# KiCad board pedalboard-hw.kicad_pcb (continued)
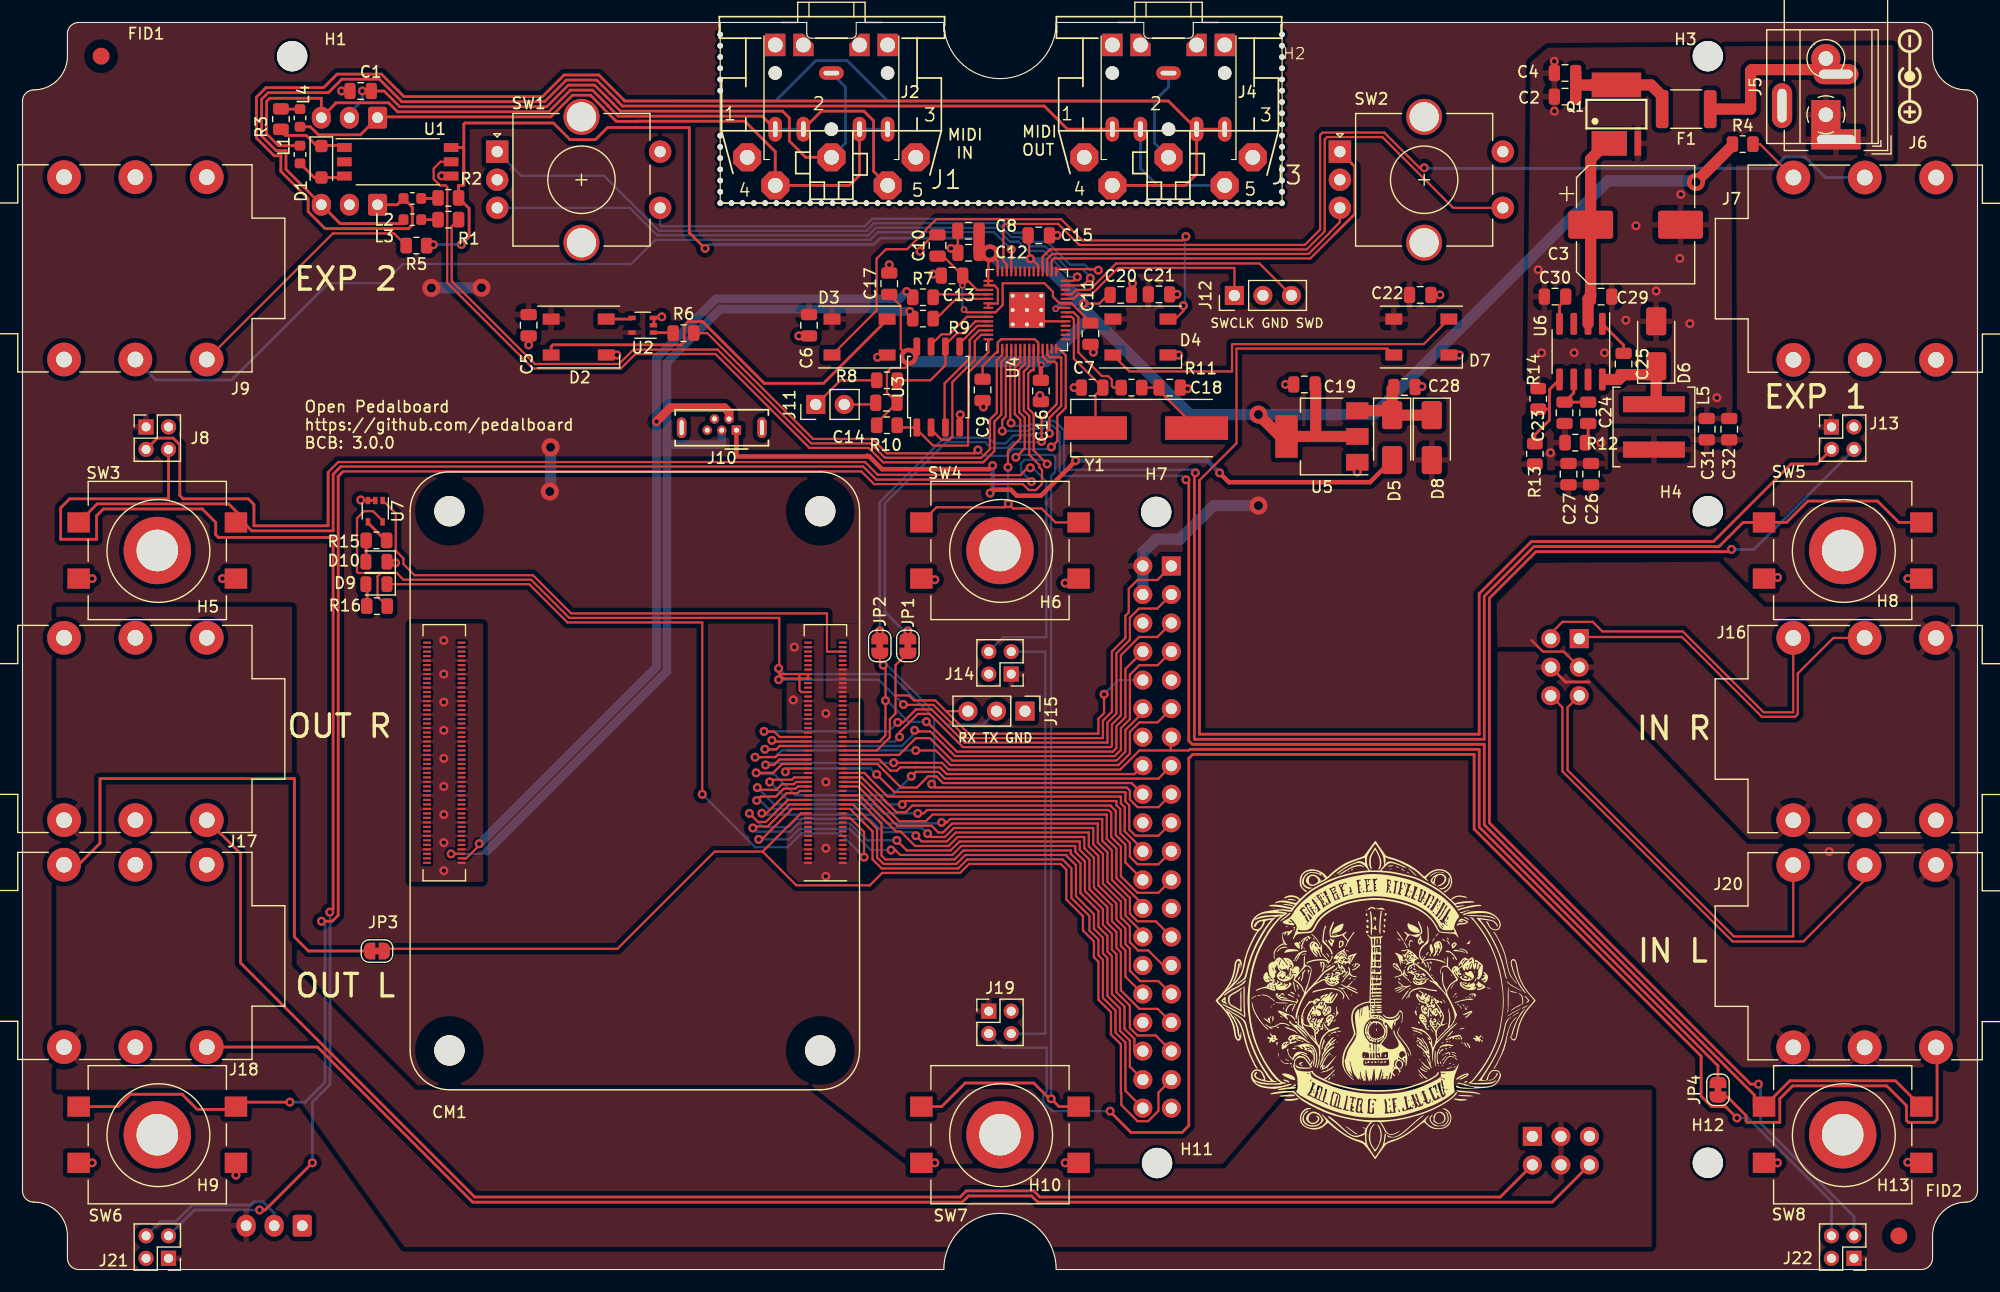
[diagram p0: board, top side]
## Footprints (pads in the part's own frame, mm; a bottom-side part is the same pattern mirrored in y, then rotated) (continued)
RotaryEncoder_Alps_EC11E-Switch_Vertical_H20mm_CircularMountingHoles
  rect 2x2 hole 1: A(0,0)
  round 2 hole 1: B(0,-5) C(0,-2.5) S1(14.5,-5) S2(14.5,0)
  round 3.2 hole 2.6: MP(7.5,3.1) MP(7.5,-8.1)
RP2040-QFN-56
  rrect 1.084x1.084 smd: (-0.637,0.637) (-0.637,-0.637) (0.637,0.637) (0.637,-0.637)
  rrect 0.875x0.2 smd: 1(-3.438,2.6) 2(-3.438,2.2) 3(-3.438,1.8) 4(-3.438,1.4) 5(-3.438,1) 6(-3.438,0.6) 7(-3.438,0.2) 8(-3.438,-0.2) 9(-3.438,-0.6) 10(-3.438,-1) 11(-3.438,-1.4) 12(-3.438,-1.8) 13(-3.438,-2.2) 14(-3.438,-2.6) 29(3.438,-2.6) 30(3.438,-2.2) 31(3.438,-1.8) 32(3.438,-1.4) 33(3.438,-1) 34(3.438,-0.6) 35(3.438,-0.2) 36(3.438,0.2) 37(3.438,0.6) 38(3.438,1) 39(3.438,1.4) 40(3.438,1.8) 41(3.438,2.2) 42(3.438,2.6)
  rrect 0.2x0.875 smd: 15(-2.6,-3.438) 16(-2.2,-3.438) 17(-1.8,-3.438) 18(-1.4,-3.438) 19(-1,-3.438) 20(-0.6,-3.438) 21(-0.2,-3.438) 22(0.2,-3.438) 23(0.6,-3.438) 24(1,-3.438) 25(1.4,-3.438) 26(1.8,-3.438) 27(2.2,-3.438) 28(2.6,-3.438) 43(2.6,3.438) 44(2.2,3.438) 45(1.8,3.438) 46(1.4,3.438) 47(1,3.438) 48(0.6,3.438) 49(0.2,3.438) 50(-0.2,3.438) 51(-0.6,3.438) 52(-1,3.438) 53(-1.4,3.438) 54(-1.8,3.438) 55(-2.2,3.438) 56(-2.6,3.438)
  round 0.6 hole 0.35: 57(-1.275,1.275) 57(-1.275,0) 57(-1.275,-1.275) 57(0,1.275) 57(0,0) 57(0,-1.275) 57(1.275,1.275) 57(1.275,0) 57(1.275,-1.275)
  rrect 3.2x3.2 smd: 57(0,0)
SO08-E3
  rect 3.15x2.2 smd: 1-3(-0.635,-2.6)
  rect 0.6x2.2 smd: 4(1.905,-2.6)
  rect 4.4x2.2 smd: 5-8(0,2.6)
SO-6L_10x3.84mm_P1.27mm
  rect 1.3x0.8 smd: 1(-4.75,1.27) 2(-4.75,0) 3(-4.75,-1.27) 4(4.75,-1.27) 5(4.75,0) 6(4.75,1.27)
SOIC-8_3.9x4.9mm_P1.27mm
  rrect 1.95x0.6 smd: 1(-2.475,1.905) 2(-2.475,0.635) 3(-2.475,-0.635) 4(-2.475,-1.905) 5(2.475,-1.905) 6(2.475,-0.635) 7(2.475,0.635) 8(2.475,1.905)
SOIC-8_5.23x5.23mm_P1.27mm
  rrect 1.6x0.6 smd: 1(-3.6,1.905) 2(-3.6,0.635) 3(-3.6,-0.635) 4(-3.6,-1.905) 5(3.6,-1.905) 6(3.6,-0.635) 7(3.6,0.635) 8(3.6,1.905)
SolderJumper-2_P1.3mm_Bridged_RoundedPad1.0x1.5mm
  custom 1x0.5 smd: 1(-0.65,0) 2(0.65,0)
SOT-223-3_TabPin2
  rect 2x1.5 smd: 1(-3.15,2.3) 2(-3.15,0) 3(-3.15,-2.3)
  rect 2x3.8 smd: 2(3.15,0)
SOT-353_SC-70-5
  rect 0.65x0.4 smd: 1(-0.95,0.65) 2(-0.95,0) 3(-0.95,-0.65) 4(0.95,-0.65) 5(0.95,0.65)
SW_PUSH-12mm_Wuerth
  rect 2x1.8 smd: 1(-7,2.5) 1(7,2.5) 2(-7,-2.5) 2(7,-2.5)
TerminalBlock_Phoenix_MKDS-1,5-2_1x02_P5.00mm_Horizontal
  rect 2.6x2.6 hole 1.3: 1(0,0)
  round 2.6 hole 1.3: 2(5,0)
USB_Micro-B_Wuerth_614105150721_Vertical
  rect 0.84x0.84 hole 0.44: 1(0,0)
  round 0.84 hole 0.44: 2(0.65,-1) 3(1.3,0) 4(1.95,-1) 5(2.6,0)
  oval 0.85x1.85 hole 0.35x1.35: 6(-2.275,-0.22) 6(4.875,-0.22)
WA-SMSI_M2.5
  round 6 hole 3.7 unplated: (0,0)

## Nets
+1V1: C10.1 C11.1 C13.1 U4.23 U4.45 U4.50
+3V3: C8.1 C9.1 C12.1 C14.1 C15.1 C16.1 C17.1 C19.1 C20.1 R1.1 R4.1 R5.1 R10.1 U1.6 U3.8 U4.1 U4.10 U4.22 U4.33 U4.42 U4.43 U4.44 U4.48 U4.49 U5.2
+5VP: C5.1 C6.1 C21.1 C22.1 C26.2 C27.2 C31.2 C32.2 CM1.77 CM1.79 CM1.81 CM1.83 CM1.85 CM1.87 D2.3 D3.3 D4.3 D7.3 D8.2 J8.1 J13.1 J14.1 J19.1 J21.1 J22.1 J25.2 J25.4 J26.3 L5.2 R13.1 U2.5
/Audio/GND_in_L: J20.RN J20.S J20.TN J25.44
/Audio/GND_in_R: J16.RN J16.S J16.TN J25.43
/Audio/GND_out: J17.S J18.S J25.49 J25.50
GND: C1.2 C2.2 C3.2 C4.2 C5.2 C6.2 C7.2 C8.2 C9.2 C10.2 C11.2 C12.2 C13.2 C14.2 C15.2 C16.2 C17.2 C18.2 C19.2 C20.2 C21.2 C22.2 C23.1 C26.1 C27.1 C28.2 C29.1 C30.1 C31.1 C32.1 CM1.1 CM1.2 CM1.7 CM1.8 CM1.13 CM1.14 CM1.22 CM1.23 CM1.32 CM1.33 CM1.42 CM1.43 CM1.52 CM1.53 CM1.59 CM1.60 CM1.65 CM1.66 CM1.71 CM1.74 CM1.98 CM1.101 CM1.107 CM1.108 CM1.113 CM1.114 CM1.119 CM1.120 CM1.125 CM1.126 CM1.131 CM1.132 CM1.137 CM1.138 CM1.144 CM1.150 CM1.155 CM1.156 CM1.161 CM1.162 CM1.167 CM1.168 CM1.173 CM1.174 CM1.179 CM1.180 CM1.185 CM1.186 CM1.191 CM1.192 CM1.197 CM1.198 D2.1 D3.1 D4.1 D6.2 D7.1 D10.1 J3.2 J4.S J5.1 J6.1 J7.RN J7.S J8.2 J9.RN J9.S J10.5 J10.6 J11.2 J12.2 J13.2 J14.2 J15.1 J19.2 J21.2 J22.2 J24.2 J25.6 J25.9 J25.14 J25.20 J25.25 J25.30 J25.34 J25.39 J26.1 Q1.4 R12.2 R14.2 SW1.C SW1.S2 SW2.C SW2.S2 SW3.2 SW4.2 SW5.2 SW6.2 SW7.2 SW8.2 U1.4 U2.2 U2.3 U3.4 U4.19 U4.57 U5.1 U6.7 U7.2 U7.3
VBUS: D5.2 J10.1
/Audio/audio_in_stereo: CM1.48 J25.13 JP4.2
/Audio/audio_out_stereo: CM1.24 J25.37 JP3.2
/Audio/audio_pcm_clk: CM1.49 J25.12
/Audio/audio_pcm_din: CM1.27 J25.38
/Audio/audio_pcm_dout: CM1.25 J25.40
/Audio/audio_pcm_fs: CM1.26 J25.35
/Audio/CM4_3V3: CM1.78 CM1.84 CM1.86 J25.1 J25.17 R16.2 U7.5
/Audio/CM4_GPIO4: CM1.54 J25.7
/Audio/CM4_GPIO5: CM1.34 J25.29
/Audio/CM4_GPIO6: CM1.30 J25.31
/Audio/CM4_GPIO7: CM1.37 J25.26
/Audio/CM4_GPIO8: CM1.39 J25.24
/Audio/CM4_GPIO9: CM1.40 J25.21
/Audio/CM4_GPIO10: CM1.44 J25.19
/Audio/CM4_GPIO11: CM1.38 J25.23
/Audio/CM4_GPIO12: CM1.31 J25.32
/Audio/CM4_GPIO13: CM1.28 J25.33
/Audio/CM4_GPIO14: CM1.55 J15.2 J25.8 JP2.1
/Audio/CM4_GPIO15: CM1.51 J15.3 J25.10 JP1.1
/Audio/CM4_GPIO16: CM1.29 J25.36
/Audio/CM4_GPIO17: CM1.50 J25.11
/Audio/CM4_GPIO22: CM1.46 J25.15
/Audio/CM4_GPIO23: CM1.47 J25.16
/Audio/CM4_GPIO24: CM1.45 J25.18
/Audio/CM4_GPIO25: CM1.41 J25.22
/Audio/CM4_ID_SC: CM1.35 J25.28
/Audio/CM4_ID_SD: CM1.36 J25.27
/Audio/CM4_LED_ACT: CM1.21 D9.1
/Audio/CM4_LED_PWR: CM1.95 U7.1
/Audio/conf_i2c_scl: CM1.56 J25.5
/Audio/conf_i2c_sda: CM1.58 J25.3
/Audio/in_L+: J20.T J25.45
/Audio/in_L-: J20.R J25.46
/Audio/in_R+: J16.T J25.42
/Audio/in_R-: J16.R J25.41
/Connectivity/USB2_N: CM1.103 J10.2 R7.1
/Connectivity/USB2_P: CM1.105 J10.3 R9.1
/LEDs/RGB_DATA: R6.1 U4.14
/MIDI/A_EXP1: J7.R U4.40
/MIDI/A_EXP2: J9.R U4.39
/MIDI/EXT_MIDI_RX: U1.5 U4.3
/MIDI/EXT_MIDI_TX: R2.2 U4.2
/MIDI/QSPI_SCLK: R8.2 U3.6 U4.52
/MIDI/QSPI_SD0: U3.5 U4.53
/MIDI/QSPI_SD1: U3.2 U4.55
/MIDI/QSPI_SD2: U3.3 U4.54
/MIDI/QSPI_SD3: U3.7 U4.51
/MIDI/QSPI_SS: R10.2 U3.1 U4.56
/MIDI/ROT_GAIN_A: SW2.A U4.30
/MIDI/ROT_GAIN_B: SW2.B U4.31
/MIDI/ROT_VOL_A: SW1.A U4.27
/MIDI/ROT_VOL_B: SW1.B U4.28
/MIDI/SW_A: SW6.1 U4.8
/MIDI/SW_B: SW7.1 U4.7
/MIDI/SW_C: SW8.1 U4.4
/MIDI/SW_D: SW3.1 U4.9
/MIDI/SW_E: SW4.1 U4.6
/MIDI/SW_F: SW5.1 U4.5
/MIDI/SW_GAIN: SW2.S1 U4.32
/MIDI/SW_VOL: SW1.S1 U4.29
/MIDI/SWCLK: J12.1 U4.24
/MIDI/SWD: J12.3 U4.25
/MIDI/XIN: C7.1 U4.20 Y1.1
/MIDI/XOUT: R11.1 U4.21
/MIDI/~{USB_BOOT}: J11.1 R8.1
/Power Supply/fused: C2.1 C4.1 F1.2 Q1.5-8
/Power Supply/ored: C28.1 D5.1 D8.1 U5.3
/Power Supply/ph: C25.2 D6.1 L5.1 U6.8
/Power Supply/polarity_checked: C3.1 C29.2 Q1.1-3 U6.2
/Power Supply/unfused: F1.1 J5.2 J6.2
Net-(C18-Pad1): C18.1 R11.2 Y1.2
Net-(C24-Pad1): C24.1 R12.1
Net-(D1-A): D1.2 L1.2 U1.3
Net-(D1-K): D1.1 R3.2 U1.1
Net-(D2-DIN): D2.2 U2.4
Net-(D2-DOUT): D2.4 D3.2
Net-(D3-DOUT): D3.4 D4.2
Net-(D4-DOUT): D4.4 D7.2
Net-(D7-DOUT): D7.4 J13.3
Net-(D9-A): D9.2 R16.1
Net-(D10-A): D10.2 R15.1
Net-(J7-PadT): J7.T R4.2
Net-(J9-PadT): J9.T R5.2
Net-(J13-Pin_4): J13.4 J22.3
Net-(J14-Pin_3): J14.3 J19.4
Net-(J14-Pin_4): J8.3 J14.4
Net-(J19-Pin_3): J19.3 J22.4
Net-(J21-Pin_3): J8.4 J21.3
Net-(J21-Pin_4): J21.4 J26.2
Net-(J23-Pin_1): J1.4 J2.R J2.RN J23.1 L4.1
Net-(J23-Pin_2): C1.1 J1.2 J2.S J23.2
Net-(J23-Pin_3): J1.5 J2.T J2.TN J23.3 L1.1
Net-(J24-Pin_1): J3.4 J4.R J4.RN J24.1 L2.1
Net-(J24-Pin_3): J3.5 J4.T J4.TN J24.3 L3.1
Net-(J25-out_L): J18.T J25.52
Net-(J25-out_R): J17.T J25.48
Net-(JP1-B): JP1.2 U4.11
Net-(JP2-B): JP2.2 U4.12
Net-(JP3-A): J18.SN JP3.1
Net-(JP4-A): J20.SN JP4.1
Net-(L2-Pad2): L2.2 R1.2
Net-(L3-Pad2): L3.2 R2.1
Net-(L4-Pad2): L4.2 R3.1
Net-(U2-A): R6.2 U2.1
Net-(U4-USB_DM): R7.2 U4.46
Net-(U4-USB_DP): R9.2 U4.47
Net-(U6-BOOT): C25.1 U6.1
Net-(U6-COMP): C23.2 C24.2 U6.6
Net-(U6-SS): C30.2 U6.4
Net-(U6-VSENSE): R13.2 R14.1 U6.5
Net-(U7-Y): R15.2 U7.4

Pads without a net: CM1 3 4 5 6 9 10 11 12 15 16 17 18 19 20 57 61 62 63 64 67 68 69 70 72 73 75 76 80 82 88 89 90 91 92 93 94 96 97 99 100 102 104 106 109 110 111 112 115 116 117 118 121 122 123 124 127 128 129 130 133 134 135 136 139 140 141 142 143 145 146 147 148 149 151 152 153 154 157 158 159 160 163 164 165 166 169 170 171 172 175 176 177 178 181 182 183 184 187 188 189 190 193 194 195 196 199 200; J1 1 3 PE PE1 PE2 PE@; J3 1 3 PE PE1 PE2 PE@; J6 3; J7 SN TN; J9 SN TN; J10 4; J16 SN; J17 R RN SN TN; J18 R RN TN; J25 47 51; SW1 MP; SW2 MP; U1 2; U4 13 15 16 17 18 26 34 35 36 37 38 41; U6 3

## Via types
v1: diameter 0.8, hole 0.4, Top to Bottom, 157 vias
v2: diameter 1.6, hole 0.8, Top to Bottom, 9 vias
v3: diameter 0.6, hole 0.3, Top to Bottom, 4 vias

## Routing (per net, layer and track width the routed paths; a pad name or vN(x,y) marks a point on that pad's centre or on a via; arc(x,y) is an arc through that point)
+1V1: length 23.4
  Top w0.2: 81.76,90.38 83.54,88.6 ; v3(83.8,85.44) 84.04,85.2 U4.50 86.6,85.2 87.24,85.84 87.24,87.79 90.95,87.79 91.71,87.03 91.71,86.6 92.31,86 U4.23 93.37,86 95.05,84.32 ; 85.66,87.2 84.95,87.2 C13.1 83.68,87.61 v3(83.66,87.59)
  Bottom w0.2: v3(83.66,87.59) 83.66,85.58 v3(83.8,85.44)
+3V3: length 240.4
  Top w0.2: U4.42 86.8,89.75 v2(86.1,90.45) ; U4.22 92.04,85.6 v3(91.95,85.51) ; C9.1 85.45,80.41 86.7,81.66 ; U4.33 90.4,89.37 89.8,89.97 v1(89.7,89.97) 89.6,90.07 89.6,91.95 ; U4.1 86.8,82.52 87.09,82.81 90.08,82.81 90.4,82.49 U4.10 90.4,80.82 v3(90.68,80.54) 90.64,80.5 ; U4.49 U4.48 85.98,85.98 86.81,85.98 86.81,87.28 86.49,87.6 U4.44 U4.43 85.96,89.79 85.15,90.6 ; C17.1 78.17,85.77 78.17,81.95 v2(78.87,81.25) 78.87,81.42 U3.8 79.59,81.3 78.55,80.25 77.32,80.25 76.94,79.87 76.94,78.05 C14.1 76.03,75.34 ; 96.6,86.75 95.83,85.98 v1(94.43,85.98)
  Top w0.25: U1.6 39.13,99.87 39.27,99.72 39.27,96.64 ; 39.27,96.64 39.27,101.95 39.37,102.05 47.26,102.05 48.73,100.58 51,100.58 52.07,101.65 59.35,101.65 59.35,92.29 v1(60.75,90.89) ; 39.27,96.64 39.27,96.5 38.8,96.5 38.81,96.49 R1.1 39.75,94.45 39.75,91.93 v1(39.06,91.24)
  Top w0.4: 90.64,80.5 C16.1
  Top w1: 152.19,100.04 v2(148.94,96.8) ; 114.85,74.15 U5.2 111.95,74.15 v2(110,76.1) ; 114.85,74.15 115.1,74.4 115.1,78.8 ; 114.85,74.15 U5.2 ; 85.14,92.59 85.14,90.61 85.15,90.6
  Bottom w0.25: v1(36.57,91.22) 36.59,91.24 v1(39.06,91.24) ; v1(60.75,90.89) 61.08,91.22 75.77,91.22 76.35,91.81 84.75,91.81 v2(86.1,90.45)
  Bottom w0.4: v1(94.43,85.98) 92.42,85.98 v3(91.95,85.51)
  Bottom w1: v2(148.94,96.8) 148.94,96.84 148.88,96.9 141.1,96.9 120.3,76.1 v2(110,76.1) 103.9,76.1 94.43,85.57 v1(94.43,85.98) 90.81,89.6 87,89.6 86.15,90.45 v2(86.1,90.45) ; 95,84.75 91.06,80.81 79.31,80.81 v2(78.87,81.25)
+5VP: length 24.4
  Top w0.2: 47,73.36 v2(47,73.19)
  Bottom w0.2: 47,69.32 v2(46.93,69.25)
  Bottom w1: v2(40.85,87.39) 40.83,87.37 v2(36.39,87.37) ; J25.4 J25.2 99.71,63.83 100.88,65 103,65 106,68 v2(110,68) ; v2(47,73.19) 47,69.32
/Audio/GND_in_L: length 4
  Top w0.25: 139.45,52.3 137.33,52.3 J25.44
  vias: v1(160.8,37.2)
/Audio/GND_in_R: length 5.3
  Top w0.2: 134.29,56.03 135.32,55 137.17,55 J25.43
GND: length 94.9
  Top w0.2: 83.13,90.89 v1(82.64,90.89) ; C8.2 83.24,90.51 ; v1(124.55,78.6) 124.5,78.55 C28.2 ; C18.2 103.6,78.5 v1(103.7,78.4) ; C11.2 95.05,81.91 v1(95.31,81.65) ; v1(112.41,78.78) 112.48,78.71 113.14,78.71 ; v1(79.89,90.64) 79.89,90.91 81.26,92.28 ; 90.55,77.25 v1(90.55,77.8) ; v1(85.52,76.78) 85.65,76.91 85.65,77.35 ; v1(81.04,88.6) 81.78,88.6 ; v1(98.79,87.78) 98.79,87.04 ; C7.2 v1(93.6,78.5) ; v1(77.14,89.44) C17.2 ; U4.19 90.95,84.4 U4.57 ; U5.1 v1(118.8,71) ; 76.1,77 73.65,77
  Top w0.25: C5.2 v1(45.05,82.3) ; v1(56.9,84.8) 56.81,84.71 56.17,84.71 ; D3.1 76.3,81.4 v1(76.1,81.2) ; v1(30.1,68.5) 30.13,68.46 31,68.46 ; 31,68.46 31.4,68.46 ; 31,68.46 30.74,68.46 ; C6.2 v1(69.1,83.1) ; D4.1 v1(102.9,81.4) ; D2.1 v1(52.9,81.4) ; C22.2 126.4,86.75 ; D7.1 v1(127.9,81.4) ; 56.2,84.7 56.2,84.05 ; v1(28.4,104.9) C1.2 ; 37.2,97.4 37.68,97.4 ; 32.44,62.9 v1(33.2,62.9)
  Bottom w0.2: U4.57 U4.57 ; U4.57 U4.57 ; U4.57 U4.57 ; U4.57 U4.57 ; U4.57 U4.57 ; U4.57 U4.57
  Bottom w0.25: J3.2 100.75,100.25 100.75,104 ; 100.75,104 77,104 73.4,107.6 70.6,107.6 67,104 58.3,104 ; 100.75,104 102,105.25 J4.S
  vias: v1(6.2,61.5) v1(6.2,9.5) v1(17.8,61.5) v1(19,8.4) v1(37.3,97.35) v1(37.5,56) v1(37.5,53) v1(37.5,50.5) v1(37.5,48) v1(37.5,45.5) v1(37.5,43) v1(37.5,40.5) v1(37.5,38) v1(37.5,35.5) v1(68.6,50.7) v1(68.7,55.4) v1(71.5,49.5) v1(71.5,43.4) v1(71.5,37.5) v1(71.5,35) v1(81.2,61.4) v1(81.2,9.5) v1(83.46,76.09) v1(92.08,92.05) v1(92.8,61.1) v1(92.8,9.5) v1(102.75,86.8) v1(126.15,86.75) v1(134.9,89) v1(135.2,81.6) v1(136,72.7) v1(136.33,107.54) v1(136.34,103.1) v1(138.1,81.6) v1(140.5,73.6) v1(140.8,81.6) v1(142.7,84.5) v1(143.6,92.9) v1(145.4,87.1) v1(147.5,90) v1(147.6,95.7) v1(148.4,84.2) v1(150.8,77.6) v1(156.2,61.6) v1(156.2,9.5) v1(167.8,61.5) v1(167.8,9.55)
VBUS: length 69.2
  Top w0.2: 76.5,71.24 75.17,72.57
  Top w0.4: v1(93.73,72) 93.73,71.97 90.64,68.88 88.49,68.88 87.96,69.41 86.42,69.41 v1(86.12,69.11) ; v1(106.54,70.91) 107.37,70.08 119.93,70.08 D5.2 ; v1(86.35,71.56) 86.02,71.24 76.5,71.24 75.37,72.38 63.54,72.38 J10.1
  Bottom w0.2: 86.35,69.43 86.12,69.2 v1(86.12,69.11)
  Bottom w0.4: v1(93.73,72) 105.45,72 v1(106.54,70.91) ; v1(86.35,71.56) 86.35,69.43
/Audio/audio_in_stereo: length 108.2
  Top w0.2: 102.2,46.2 99.4,46.2 97.7,44.5 82.42,44.5 81.82,45.1 79.61,45.1 79.6,45.11 v1(77.54,45.11) ; 102.2,46.2 103.8,46.2 103.9,46.3 ; 102.2,46.2 102.2,47.33 ; v1(66.13,44.91) 66.88,44.91 67.37,45.4 CM1.48
  Top w0.25: JP4.2 150.9,18.14 129.65,39.39 129.65,46.3 103.9,46.3
  Bottom w0.2: v1(66.13,44.91) 66.32,45.1 77.53,45.1 v1(77.54,45.11)
/Audio/audio_out_stereo: length 102.3
  Top w0.2: CM1.24 69.27,40.6 65.87,37.2 ; 32.4,28.55 52.95,28.55 61.6,37.2 65.87,37.2 ; 65.87,37.2 68.87,34.2 75.41,34.2 76.51,35.3 83.45,35.3 84.25,36.1 92.4,36.1 92.9,35.6 92.9,32.93 94.35,31.48 94.38,31.48 94.38,30.18 95.36,29.2 95.36,27.8 95.76,27.4 95.76,24.02 96.88,22.9 96.88,20.93 97.76,20.05 97.76,15.75 97.8,15.71 97.8,14.65 99.25,13.2 100.17,13.2 101.1,14.13 101.1,15.75 J25.37
/Audio/audio_pcm_clk: length 31.1
  Top w0.2: 99.71,49.58 98.16,48.03 98.16,46.09 97.37,45.3 82.75,45.3 80.75,47.3 79.51,47.3 78.02,45.81 77.25,45.81 77.24,45.8 CM1.49
/Audio/audio_pcm_din: length 46.7
  Top w0.2: J25.38 98.56,18.05 98.56,20.38 97.68,21.26 97.68,23.23 96.56,24.35 96.56,27.73 96.16,28.13 96.16,29.53 95.36,30.33 95.36,31.63 93.76,33.23 93.76,35.99 92.9,36.85 92.9,36.9 83.92,36.9 83.12,36.1 76.63,36.1 76.06,36.68 76.06,39.24 73.9,41.4 CM1.27
/Audio/audio_pcm_dout: length 48.6
  Top w0.2: J25.40 98.16,15.91 98.16,20.21 97.28,21.09 97.28,23.07 96.16,24.19 96.16,27.57 95.76,27.97 95.76,29.37 94.96,30.17 94.96,31.47 93.36,33.07 93.36,35.71 92.57,36.5 84.08,36.5 83.28,35.7 76.47,35.7 75.66,36.51 75.66,38.99 73.65,41 CM1.25
/Audio/audio_pcm_fs: length 58.1
  Top w0.2: v1(77.3,37.34) 77.68,37.34 78.12,36.9 82.76,36.9 83.56,37.7 93.7,37.7 93.7,37.18 94.56,36.32 94.56,33.68 96.16,32.08 96.16,30.67 96.96,29.87 96.96,28.47 97.36,28.07 97.36,24.68 98.56,23.48 98.56,21.51 99.23,20.83 100.86,20.83 J25.35 ; CM1.26 68.5,41 65.79,38.29 v1(65.53,38.29)
  Bottom w0.2: v1(77.3,37.34) 75.5,37.34 73.62,39.22 69.15,39.22 68.22,38.29 v1(65.53,38.29)
/Audio/CM4_3V3: length 159.1
  Top w0.2: J25.17 101.1,41.15 99.23,41.15 98.56,41.83 98.56,42.64 98.3,42.9 81.22,42.9 v1(80.92,43.2) ; J25.1 101,61.37 99.23,61.37 98.46,60.6 98.46,58.49 98.16,58.19 98.16,56.21 96.96,55.01 96.96,49.65 96.16,48.85 96.16,47.3 84.03,47.3 81.07,50.26 78.44,50.26 v1(78.4,50.3) ; 67.35,53 67.35,58 48.67,58 45.27,61.4 33.91,61.4 33.31,62 31.9,62 ; 67.35,53 67.75,52.6 ; 67.35,53 67.45,53 ; 69.15,52.6 69.15,51.55 69.3,51.4 CM1.78 ; 69.15,52.6 69.15,53 ; 69.15,52.6 67.75,52.6 ; 69.15,52.6 CM1.84 CM1.86 69.15,53 ; 67.45,53 67.3,53.15 v1(67.3,53.5) ; 67.45,53 69.15,53 ; 67.75,52.6 67.4,52.6 v1(67.3,52.5) ; 32.06,66.64 31.2,67.5 30.4,67.5 29.77,66.87 29.77,62.1 29.88,62 31.9,62 ; 31.9,62 31.6,61.7 31.6,59.91 R16.2
  Bottom w0.2: v1(80.92,43.2) 81.15,43.43 81.15,49.05 77.2,53 67.8,53 v1(67.3,53.5) ; v1(78.4,50.3) 76.2,52.5 v1(67.3,52.5)
/Audio/CM4_GPIO4: length 49.4
  Top w0.2: v1(66.07,46.31) 66.09,46.3 67.09,46.3 67.39,46.6 CM1.54 ; v1(79.4,48) 79.5,47.9 79.8,47.9 ; 79.8,47.9 79.7,48 ; 79.8,47.9 80.79,47.9 82.99,45.7 97.2,45.7 97.76,46.26 97.76,48.19 98.56,48.99 98.56,52.94 99.41,53.79 101.04,53.79 J25.7
  Bottom w0.2: v1(79.4,48) 79.4,47.75 78.25,46.6 67.39,46.6 67.09,46.3 66.09,46.3 v1(66.07,46.31)
/Audio/CM4_GPIO5: length 51
  Top w0.2: 101.54,27.06 100.2,28.4 99.29,28.4 98.56,29.13 98.56,30.54 97.76,31.34 97.76,32.75 96.16,34.35 96.16,36.98 95.3,37.84 95.3,39.3 82.9,39.3 82.1,38.5 80.86,38.5 v1(80.56,38.8) ; CM1.34 69.18,42.6 68.98,42.4 68,42.4 66.21,40.61 v1(65.8,40.61)
  Bottom w0.2: v1(65.8,40.61) 65.91,40.5 75.57,40.5 76.75,39.32 80.04,39.32 v1(80.56,38.8)
/Audio/CM4_GPIO6: length 56.9
  Top w0.2: v1(79.51,38.62) 80.03,38.1 82.27,38.1 83.07,38.9 94.9,38.9 94.9,37.67 95.76,36.81 95.76,34.18 97.36,32.58 97.36,31.17 98.16,30.37 98.16,28.96 98.56,28.56 98.56,26.59 99.47,25.67 101.1,25.67 J25.31 ; CM1.30 68.12,41.8 66.16,39.84 65.46,39.84 v1(64.7,40.6)
  Bottom w0.2: v1(79.51,38.62) 79.21,38.92 76.59,38.92 75.4,40.1 68.9,40.1 68.19,39.39 65.91,39.39 v1(64.7,40.6)
/Audio/CM4_GPIO7: length 34.5
  Top w0.2: 99.71,32.49 97.36,34.84 97.36,37.48 96.5,38.34 96.5,40.49 96.49,40.5 81,40.5 80.4,39.9 78.03,39.9 74.53,43.4 CM1.37
/Audio/CM4_GPIO8: length 33.2
  Top w0.2: J25.24 98.16,36.23 98.16,37.81 97.3,38.67 97.3,40.83 96.96,41.17 96.96,41.18 96.84,41.3 79.19,41.3 78.59,40.7 77.8,40.7 74.7,43.8 CM1.39
/Audio/CM4_GPIO9: length 45.3
  Top w0.2: CM1.40 68.69,43.8 68.49,43.6 66.7,43.6 v1(66.5,43.4) ; v1(78.3,41.4) 78.6,41.7 97.36,41.7 97.36,41.33 97.7,40.99 97.7,38.83 98.56,37.97 98.56,36.75 99.23,36.07 101.1,36.07 J25.21
  Bottom w0.2: v1(78.3,41.4) 77,41.4 76.6,41.8 68.1,41.8 v1(66.5,43.4)
/Audio/CM4_GPIO10: length 41.3
  Top w0.2: v1(76.02,44.07) 76.03,44.07 77.6,42.5 98.13,42.5 98.16,42.47 98.16,41.66 98.5,41.32 98.5,39.17 99.05,38.61 101.1,38.61 J25.19 ; CM1.44 68.2,44.6 v1(67.9,44.3)
  Bottom w0.2: v1(67.9,44.3) 68.2,44.6 75.5,44.6 v1(76.02,44.07)
/Audio/CM4_GPIO11: length 49.2
  Top w0.2: CM1.38 68.85,43.4 68.65,43.2 67.59,43.2 67.09,42.7 65.6,42.7 v1(65.4,42.9) ; J25.23 101.1,33.53 99.23,33.53 97.76,35.01 97.76,37.64 96.9,38.5 96.9,40.66 96.66,40.9 80.5,40.9 80.2,40.6 v1(79.68,40.6)
  Bottom w0.2: v1(65.4,42.9) 66.9,41.4 75.8,41.4 76.6,40.6 v1(79.68,40.6)
/Audio/CM4_GPIO12: length 39.8
  Top w0.2: CM1.31 74.53,42.2 77.74,38.99 78.15,38.99 79.44,37.7 82.43,37.7 83.23,38.5 94.5,38.5 94.5,37.51 95.36,36.65 95.36,34.01 96.96,32.41 96.96,31.01 97.76,30.21 97.76,28.8 98.16,28.4 98.16,26.07 J25.32
/Audio/CM4_GPIO13: length 57.1
  Top w0.2: v1(65,39.3) 65.14,39.44 66.33,39.44 68.29,41.4 CM1.28 ; J25.33 101.03,23.2 99.41,23.2 97.76,24.85 97.76,28.23 97.36,28.63 97.36,30.04 96.56,30.84 96.56,32.25 94.96,33.85 94.96,36.48 94.1,37.34 94.1,38.1 83.4,38.1 82.6,37.3 78.71,37.3 v1(77.82,38.19)
  Bottom w0.2: v1(77.82,38.19) 75.21,38.19 73.7,39.7 69.07,39.7 68.35,38.99 65.31,38.99 v1(65,39.3)
/Audio/CM4_GPIO14: length 56.5
  Top w0.2: J25.8 98.16,53.45 98.16,49.16 97.36,48.36 97.36,46.42 97.04,46.1 83.16,46.1 80.5,48.76 v1(80.45,48.76) ; CM1.55 76.26,47 76.8,47.54 76.8,49.16 76.81,49.17 v1(76.81,50.63) 76.81,53.6 v1(76.61,53.8) 76.3,54.11 76.3,54.9
  Bottom w0.2: v1(76.81,50.63) 76.96,50.63 78.83,48.76 v1(80.45,48.76) ; v1(76.61,53.8) 76.96,53.8 82.26,48.5 85.48,48.5 J15.2
/Audio/CM4_GPIO15: length 41.9
  Top w0.2: 82.25,49.65 81.24,50.66 79.34,50.66 78.9,51.1 77.7,51.1 ; 82.25,49.65 82.3,49.7 J15.3 ; 82.25,49.65 84.19,47.7 95.76,47.7 95.76,49.02 96.26,49.52 v1(96.26,51.2) ; 77.7,51.1 77.7,49.49 77.2,48.99 77.2,47.37 76.03,46.2 CM1.51 ; 77.7,51.1 77.7,53.8 78.8,54.9
  Bottom w0.2: J25.10 97.53,52.46 v1(96.26,51.2)
/Audio/CM4_GPIO16: length 44.7
  Top w0.2: CM1.29 74.37,41.8 76.46,39.71 76.46,36.84 76.8,36.5 82.95,36.5 83.75,37.3 93.3,37.3 93.3,37.01 94.16,36.15 94.16,33.52 95.76,31.92 95.76,30.5 96.56,29.7 96.56,28.3 96.96,27.9 96.96,24.52 98.08,23.4 98.08,21.43 98.96,20.54 98.96,19.44
/Audio/CM4_GPIO17: length 45.9
  Top w0.2: CM1.50 67.2,45.8 67.01,45.61 66.37,45.61 66.36,45.61 65.78,45.61 65.77,45.6 v1(65.2,45.6) ; J25.11 101.03,48.7 99.4,48.7 98.56,47.86 98.56,45.93 97.53,44.9 82.59,44.9 81.29,46.2 v1(79.5,46.2)
  Bottom w0.2: v1(79.5,46.2) 67.58,46.2 66.99,45.61 65.78,45.61 65.77,45.6 v1(65.2,45.6)
/Audio/CM4_GPIO22: length 44.3
  Top w0.2: CM1.46 67.6,45 66.81,44.21 v1(65.3,44.21) ; v1(79.1,43.9) 79.5,44.3 81.49,44.3 82.09,43.7 99.23,43.7 99.23,43.69 101.1,43.69 J25.15
  Bottom w0.2: v1(79.1,43.9) 77.4,42.2 68.8,42.2 66.9,44.1 65.41,44.1 v1(65.3,44.21)
/Audio/CM4_GPIO23: length 27.8
  Top w0.2: J25.16 98.97,44.1 82.26,44.1 81.66,44.7 79.44,44.7 79.44,44.71 78.13,44.71 77.83,44.41 77.25,44.41 76.25,45.4 CM1.47
/Audio/CM4_GPIO24: length 28.7
  Top w0.2: J25.18 98.71,43.3 81.93,43.3 81.33,43.9 80.6,43.9 79.6,42.9 78.19,42.9 76.09,45 CM1.45
/Audio/CM4_GPIO25: length 31.2
  Top w0.2: 99.71,37.39 98.1,39 98.1,41.16 97.76,41.5 97.76,42.1 77.01,42.1 75.32,43.78 75.32,43.81 74.93,44.2 CM1.41
/Audio/CM4_ID_SC: length 36.1
  Top w0.2: CM1.35 74.37,43 77.87,39.5 80.91,39.5 81.51,38.9 81.93,38.9 82.73,39.7 95.7,39.7 95.7,38.01 96.56,37.15 96.56,34.51 98.16,32.91 98.16,31.5 99.71,29.95
/Audio/CM4_ID_SD: length 50.8
  Top w0.2: v1(65.35,41.75) 65.7,42.1 67.06,42.1 67.76,42.8 68.82,42.8 69.02,43 CM1.36 ; J25.27 100.86,30.99 99.23,30.99 98.56,31.67 98.56,33.08 96.96,34.68 96.96,37.31 96.1,38.17 96.1,40.1 82.57,40.1 82.27,39.8 v1(81.8,39.8)
  Bottom w0.2: v1(81.8,39.8) 81.72,39.72 76.92,39.72 75.63,41 66.4,41 65.65,41.75 v1(65.35,41.75)
/Audio/CM4_LED_ACT: length 67.2
  Top w0.2: v1(60.5,42.3) 60.5,57.6 48.5,57.6 45.1,61 D9.1 ; CM1.21 73.65,40.2 74.9,38.95 v1(74.9,36.7)
  Bottom w0.2: v1(74.9,36.7) 72.78,38.82 69.31,38.82 68.08,37.59 65.24,37.59 60.52,42.3 v1(60.5,42.3)
/Audio/CM4_LED_PWR: length 50.7
  Top w0.2: CM1.95 71.6,55 71.6,58.4 48.83,58.4 45.43,61.8 34.9,61.8 33.9,62.8 33.9,63.3 33.23,63.97 33.23,67.3 32.06,68.46
/Audio/conf_i2c_scl: length 50.2
  Top w0.2: CM1.56 66.8,47 v1(66.7,47.1) ; J25.5 101.01,56.3 99.38,56.3 97.76,54.68 97.76,49.32 96.96,48.52 96.96,46.59 96.87,46.5 83.7,46.5 80.74,49.46 79.69,49.46 78.06,47.82 v1(78.06,47.4)
  Bottom w0.2: v1(66.7,47.1) 66.8,47 77.66,47 v1(78.06,47.4)
/Audio/conf_i2c_sda: length 53.2
  Top w0.2: v1(77.9,48.7) 78.37,48.7 79.53,49.86 80.91,49.86 83.86,46.9 96.56,46.9 96.56,48.69 97.36,49.49 97.36,54.85 98.56,56.05 98.56,58.02 99.37,58.83 101,58.83 J25.3 ; v1(66,47.9) 66.89,47.9 67.39,47.4 CM1.58
  Bottom w0.2: v1(66,47.9) 77.1,47.9 v1(77.9,48.7)
/Audio/in_L+: length 39.6
  Top w0.2: J25.45 137.51,50.03 137.51,44.46 152.32,29.65 157.6,29.65 J20.T
/Audio/in_L-: length 42.6
  Top w0.2: 163.95,34.65 158.5,29.2 152.2,29.2 137.06,44.34 137.06,50.03 J25.46
/Audio/in_R+: length 32
  Top w0.2: J16.T 157.6,49.6 154.97,49.6 147.77,56.8 140.6,56.8 139.75,57.65 137.06,57.65 136.01,56.61
/Audio/in_R-: length 33.3
  Top w0.2: 163.92,56.22 161.17,56.22 158,53.05 158,49.43 157.77,49.2 154.8,49.2 147.7,56.3 138.56,56.3
/Connectivity/USB2_N: length 84.5
  Top w0.2: CM1.103 39.5,36.6 40.65,37.75 v1(40.65,37.9)
  Top w0.77: v1(56.42,75.48) 57.66,76.72 62.48,76.72 62.89,76.3 J10.2
  Bottom w0.77: v1(40.65,37.9) 40.7,37.9 56.44,53.64 56.44,75.47 v1(56.42,75.48) 56.42,81.11 61.72,86.41 78.06,86.41 v1(78.7,87.05)
/Connectivity/USB2_P: length 85
  Top w0.2: CM1.105 v1(38.15,37)
  Bottom w0.2: v1(38.15,37) 40.9,37 41.25,37.35
  Bottom w0.77: v1(78.97,85.29) 77.89,85.29 77.69,85.49 62.1,85.49 57.36,80.75 57.36,72.56 ; 57.36,72.56 57.36,73.42 62.22,73.42 62.24,73.44 J10.3 ; 57.36,72.56 57.36,53.26 41.35,37.25
/LEDs/RGB_DATA: length 46.7
  Top w0.2: v1(85.03,72.95) 84.73,72.65 76.93,72.65 75.65,73.93 70.37,73.93 60.95,83.35 R6.1 ; U4.14 92.26,81.96 92.85,81.37 92.85,76.7 92.1,75.95 92.1,73.75 v1(91.56,73.21)
  Bottom w0.2: v1(85.03,72.95) 85.55,72.43 87.53,72.43 88.11,73.01 91.37,73.01 v1(91.56,73.21)
/MIDI/A_EXP1: length 93.3
  Top w0.2: U4.40 87.6,89.45 87.3,89.75 87.3,92.94 87.44,93.08 92.17,93.08 94.05,91.2 114.13,91.2 115.49,92.56 115.49,100.98 115.71,101.2 121.2,101.2 124.33,98.07 v1(124.76,98.07)
  Bottom w0.25: 163.96,97.21 160.46,97.21 160.46,97.22 158.66,99.03 156.86,99.03 155.85,98.02 124.8,98.02 v1(124.76,98.07)
/MIDI/A_EXP2: length 86.8
  Top w0.2: v1(88,90.8) U4.39
  Bottom w0.2: 27.25,87.8 32.15,87.8 33.85,89.5 54.18,89.5 56.33,91.65 75.45,91.65 76.13,92.33 86.47,92.33 v1(88,90.8)
  Bottom w0.25: 27.25,87.8 18.62,79.17 11.88,79.17 J9.R
/MIDI/EXT_MIDI_RX: length 79.1
  Top w0.2: U1.5 37.2,98.6 36.6,98 36.6,97.06 37.16,96.5 37.65,96.5 37.8,96.35 37.8,87.83 45.43,80.2 53.26,80.2 54.54,81.48 58.95,81.48 58.96,81.49 61.68,81.49 70.04,73.13 75.32,73.13 76.6,71.85 85.5,71.85 86.5,72.85 86.5,75.48 87.11,76.1 87.11,80.78 87.6,81.26 U4.3
/MIDI/EXT_MIDI_TX: length 70.9
  Top w0.2: R2.2 38.2,92.84 38.2,88 45.6,80.6 53.09,80.6 54.37,81.88 58.79,81.88 58.79,81.89 61.84,81.89 70.2,73.53 75.48,73.53 76.76,72.25 85.33,72.25 86.1,73.02 86.1,75.65 86.72,76.27 86.72,80.95 87.2,81.43 U4.2
/MIDI/QSPI_SCLK: length 10.6
  Top w0.2: 78.16,79.15 80.8,79.15 82.14,80.48 82.14,81.85 ; 82.14,82.32 83.17,83.35 83.77,83.35 84.82,84.4 U4.52
/MIDI/QSPI_SD0: length 3.2
  Top w0.2: 83.41,82.42 84.98,84 U4.53
/MIDI/QSPI_SD1: length 13.2
  Top w0.2: 80.86,74.78 81.8,73.85 82.47,73.85 82.76,74.14 82.76,78.99 84.76,80.99 84.76,82.64 85.32,83.2 U4.55
/MIDI/QSPI_SD2: length 10.4
  Top w0.2: 82.07,75.31 82.07,78.87 84.31,81.1 84.31,82.76 85.15,83.6 U4.54
/MIDI/QSPI_SD3: length 6.1
  Top w0.2: 80.86,82.32 81.8,83.25 82.5,83.25 84.05,84.8 U4.51
/MIDI/QSPI_SS: length 16.9
  Top w0.2: 79.59,74.78 81.04,73.34 84.11,73.34 84.16,73.39 84.16,79.83 85.96,81.63 U4.56 ; U3.1 78.05,74.95
/MIDI/ROT_GAIN_A: length 35.7
  Top w0.2: U4.30 91.6,89.78 91.82,90 114.62,90 116.79,92.16
  Top w0.25: 116.79,92.16 118.57,93.95 118.57,98.17 SW2.A
/MIDI/ROT_GAIN_B: length 29.8
  Top w0.2: SW2.B 117.25,93.23 116.36,92.34 116.36,92.31 114.46,90.4 91.65,90.4 91.2,89.95 U4.31
/MIDI/ROT_VOL_A: length 60.6
  Top w0.2: U4.27 94.4,87.6 v1(95.04,88.24)
  Bottom w0.2: v1(95.04,88.24) 95.04,88.35 94.34,89.05 93.06,89.05 91.04,91.07 89.62,91.07 88.8,91.9 88.03,91.9 86.8,93.13 75.8,93.13 75.12,92.45 56.66,92.45 51.76,97.35 44.4,97.35 SW1.A
/MIDI/ROT_VOL_B: length 55.9
  Top w0.2: v1(93.88,88.35) 93.53,88 U4.28
  Bottom w0.2: SW1.B 54.05,94.5 56.5,92.05 75.28,92.05 75.96,92.73 86.64,92.73 87.87,91.5 88.63,91.5 89.46,90.67 89.99,90.67 89.99,90.67 90.87,90.67 93.19,88.35 v1(93.88,88.35)
/MIDI/SW_A: length 155.2
  Top w0.2: 28.27,70.78 28.54,71.04 74.66,71.04 75.79,69.91 89.03,69.91 89.56,69.38 90.19,69.38 90.74,69.93 90.74,71.17 90.5,71.41 90.5,71.61 89.6,72.51 89.6,75.98 89.11,76.47 89.11,79.92 89.6,80.41 U4.8
  Top w0.25: v1(23.8,14.9) 19.4,14.9 ; v1(26.61,31) 27.57,31 28.1,31.53 28.1,70.6 28.5,71 ; 18.75,14.25 15.55,14.25 14.2,15.6 9.6,15.6 8.5,14.5 SW6.1
  Bottom w0.25: v1(26.61,31) 26.93,30.68 26.93,16.67 25.16,14.9 v1(23.8,14.9)
/MIDI/SW_B: length 87.1
  Top w0.2: v1(88.41,72.3) 89.2,73.09 89.2,75.82 88.72,76.3 88.72,80.11 89.2,80.59 U4.7
  Top w0.25: SW7.1 81.8,14.5 83.9,16.6 90,16.6 91.47,15.12 v1(91.55,15.2) 92.25,14.5 SW7.1
  Bottom w0.2: v1(88.41,72.3) 88.62,72.51 91.75,72.51 91.9,72.36 91.9,71 91.55,70.65 v1(91.55,15.2)
/MIDI/SW_C: length 136.1
  Top w0.2: U4.4 88,81.1 87.52,80.61 87.52,75.93 87.2,75.62 v1(87.2,74.63)
  Top w0.25: SW8.1 166.7,16.8 157.3,16.8 SW8.1 ; 154.12,14.5 154.12,15.55 130.1,39.57 130.1,46.75 104.11,46.75 103.8,47.06 103.8,70.05 v1(103.55,70.3)
  Bottom w0.2: v1(103.55,70.3) 103.2,70.65 92.7,70.65 92.3,71.05 92.3,74.52 91.69,75.13 91.11,75.13 90.81,74.83 89.76,74.83 89.59,74.65 87.22,74.65 v1(87.2,74.63)
/MIDI/SW_D: length 109.1
  Top w0.2: U4.9 90,80.05 89.81,80.05 89.52,79.76 89.52,76.63 90,76.15 90,72.9 v1(91.2,71.7) ; v1(89.8,70.13) 89.62,70.31 75.98,70.31 74.82,71.47 28.34,71.47 27.65,70.79
  Top w0.25: 19.4,67.1 18.35,68.15 6.65,68.15 SW3.1 ; 19.33,66.83 20.41,65.75 27.65,65.75 27.65,70.79 28.31,71.45
  Bottom w0.2: v1(89.8,70.13) 88.89,71.04 88.89,71.77 89.18,72.06 90.84,72.06 v1(91.2,71.7)
/MIDI/SW_E: length 30
  Top w0.2: U4.6 88.8,80.76 88.31,80.27 88.31,76.14 88.8,75.65 88.8,73.95 87.71,72.86 v1(87.71,71.41) ; SW4.1 81.35,67.85 87.43,67.85 v1(87.74,68.16) 88.16,67.74 90.7,67.74 91.94,66.5 SW4.1
  Bottom w0.2: v1(87.71,71.41) 87.71,68.19 v1(87.74,68.16)
/MIDI/SW_F: length 132.6
  Top w0.2: U4.5 88.4,80.93 87.92,80.45 87.92,75.42 v1(87.98,75.35)
  Top w0.25: SW5.1 167,66.5 165.1,68.4 158.9,68.4 157,66.5 SW5.1 153.14,66.5 150.99,64.35 134.51,64.35 130.1,59.94 130.1,47.2 104.3,47.2 104.3,70.6
  Bottom w0.2: v1(104.39,70.91) 104.1,71.2 92.72,71.2 92.7,71.22 92.7,74.68 91.86,75.53 90.95,75.53 90.65,75.23 89.6,75.23 89.47,75.1 88.23,75.1 v1(87.98,75.35)
/MIDI/SW_GAIN: length 54.1
  Top w0.2: U4.32 90.8,90.15 91.45,90.8 114.29,90.8 115.89,92.4 115.89,92.61 115.9,92.62 115.9,100.59 116.11,100.8 121.03,100.8 127.33,94.5 SW2.S1
/MIDI/SW_VOL: length 46.7
  Top w0.2: v1(95.75,88.95) 95.65,89.05 92.21,89.05 U4.29
  Bottom w0.2: v1(95.75,88.95) 95.01,88.95 94.51,89.45 93.23,89.45 91.2,91.47 89.79,91.47 88.96,92.3 88.2,92.3 86.97,93.53 75.63,93.53 74.95,92.85 56.84,92.85 56.75,92.94 SW1.S1
/MIDI/SWCLK: length 18.6
  Top w0.2: U4.24 93.54,86.4 93.94,86.8 95.16,86.8 97.51,89.15 107.86,89.15 J12.1
/MIDI/SWD: length 22.4
  Top w0.2: U4.25 93.37,86.8 93.77,87.2 94.99,87.2 96.45,88.66 96.45,88.67 97.33,89.55 110.09,89.55 J12.3
/MIDI/XIN: length 11.9
  Top w0.2: U4.20 93.37,84.8 93.58,84.59 93.58,81.08 C7.1 95.5,77.85 Y1.1
/MIDI/XOUT: length 9.9
  Top w0.2: U4.21 93.54,85.2 93.97,84.76 93.97,81.62 96.08,79.53 96.63,79.53 96.95,79.2 96.95,78.65 97.1,78.5 R11.1
/MIDI/~{USB_BOOT}: length 5.9
  Top w0.2: 71.11,77.46 72.8,79.15 76.34,79.15
/Power Supply/fused: length 9.9
  Top w1: 145.93,104.45 144.94,105.44 Q1.5-8 139.66,105.44 139.65,105.43 138.57,105.43 ; C4.1 C2.1
/Power Supply/ored: length 8.7
  Top w1: 125.3,76.05 D5.1 121.9,78.4 C28.1 ; U5.3 121.5,76.45
